# Altium PCB Power Distribution Board.PcbDoc
Units mil, origin at the board's own origin, x right, y up, seen from the top; angles counter-clockwise.
Board outline 7167.22 x 4375.38 mil, 4 copper layers (Top Layer, Int1 (GND), Int2 (PWR), Bottom Layer), stack 53.912 mil thick; 83 components, 24 nets, 172 pads, 187 vias.
Unrouted connection lines stored in the file: 11.
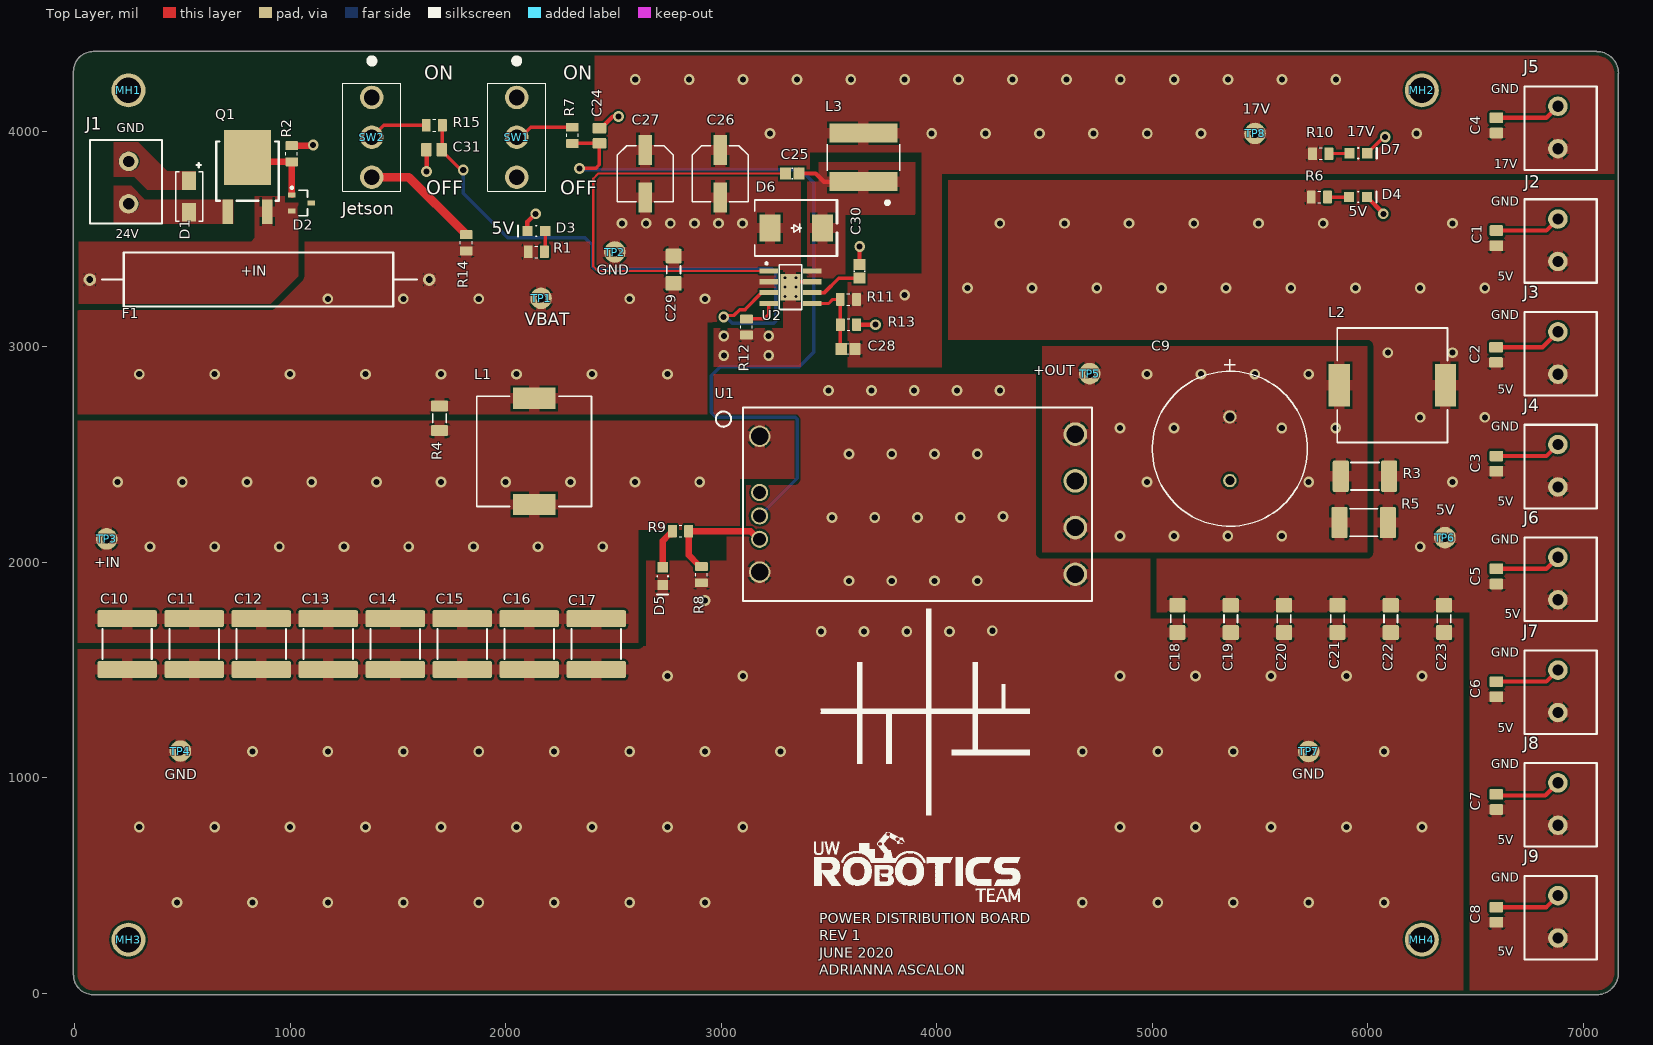
[diagram p0: Top Layer view]
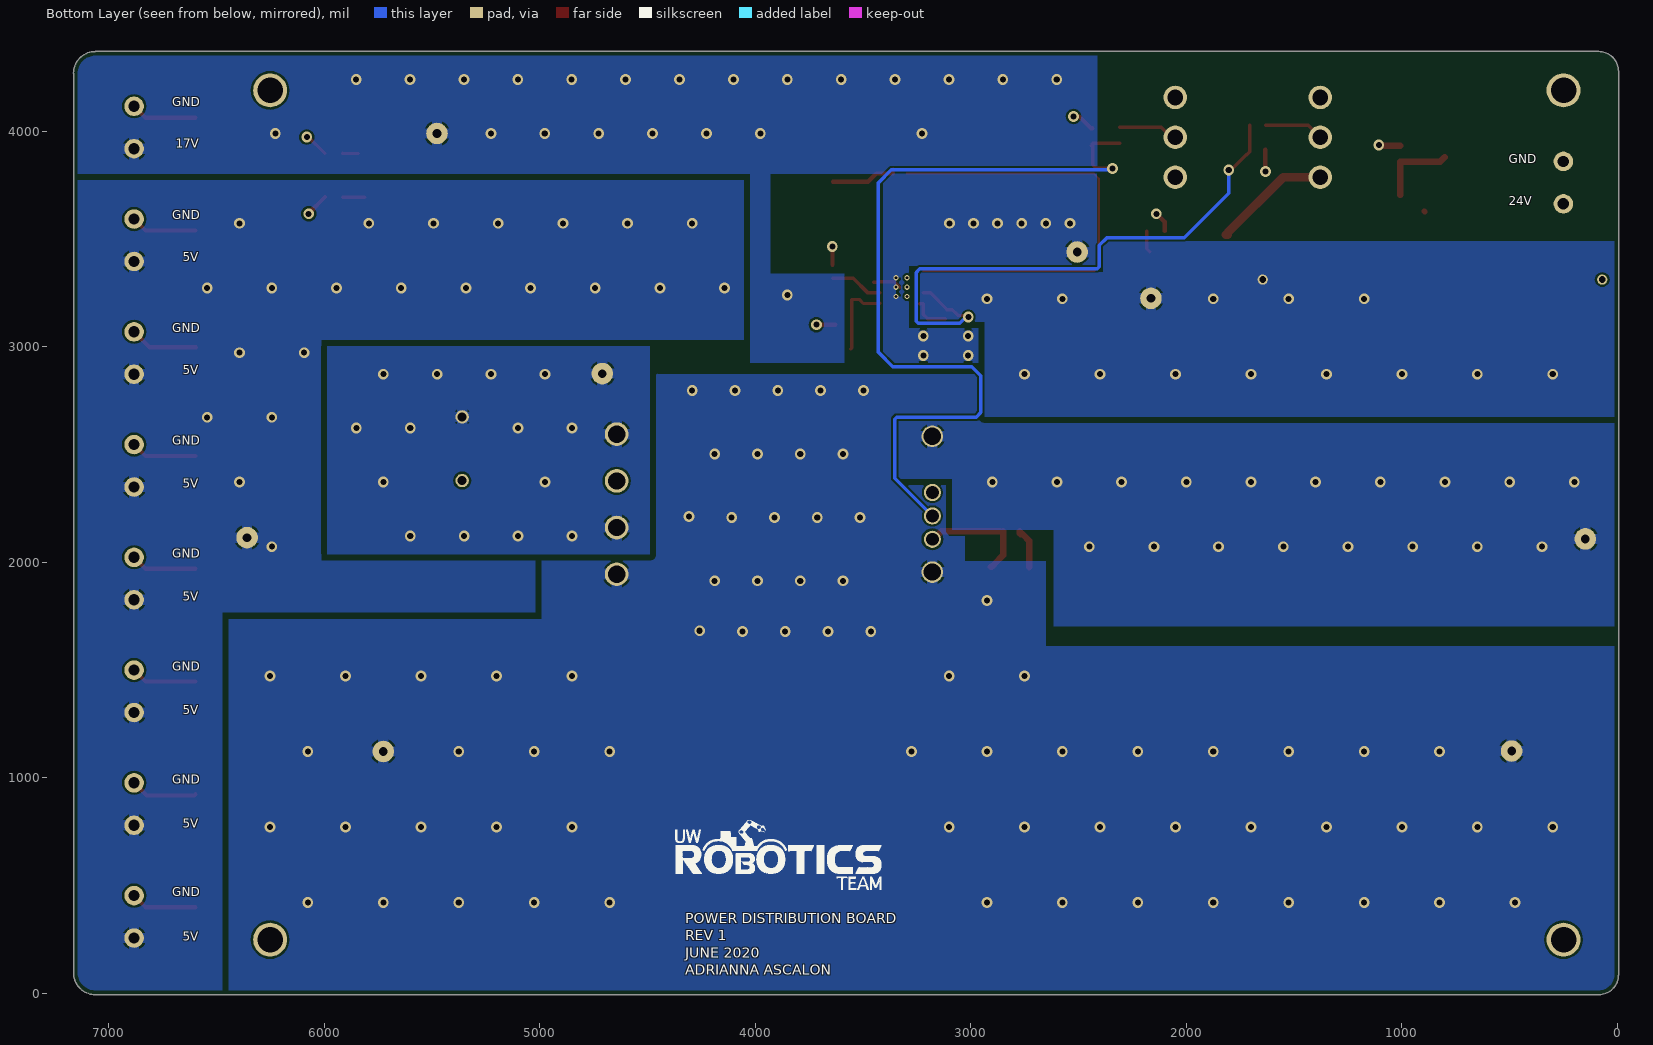
[diagram p1: Bottom Layer view, seen from below]
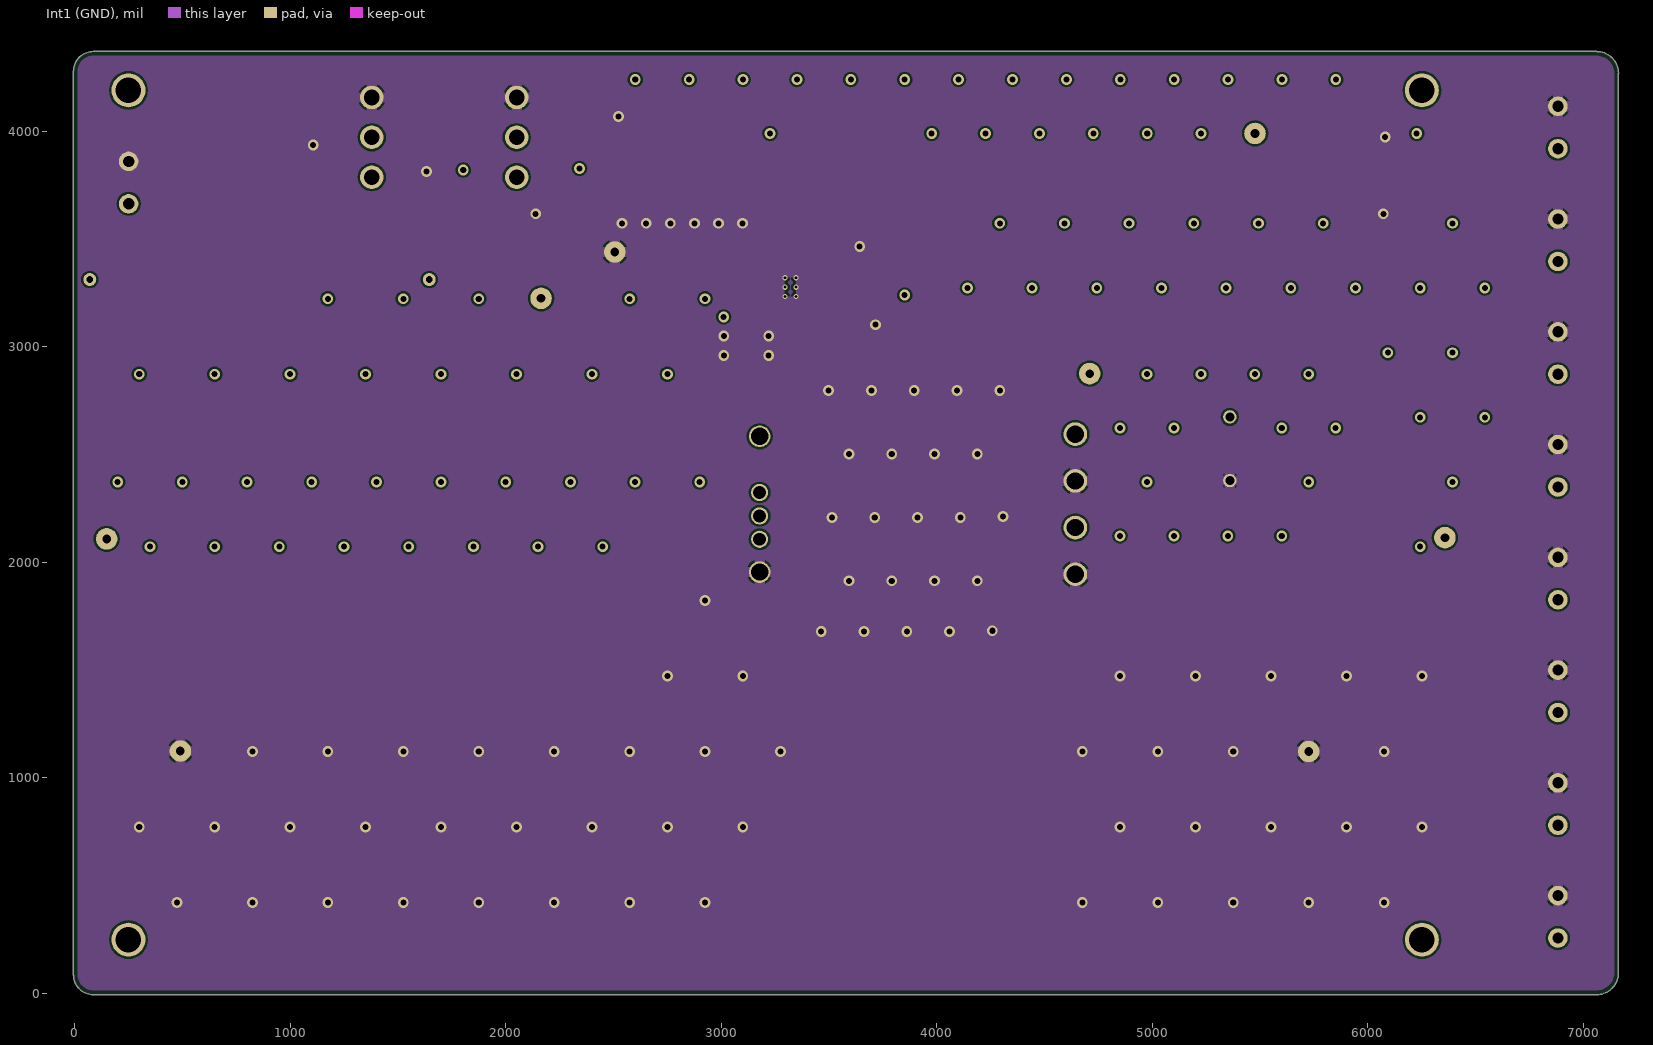
[diagram p2: Int1 (GND)]
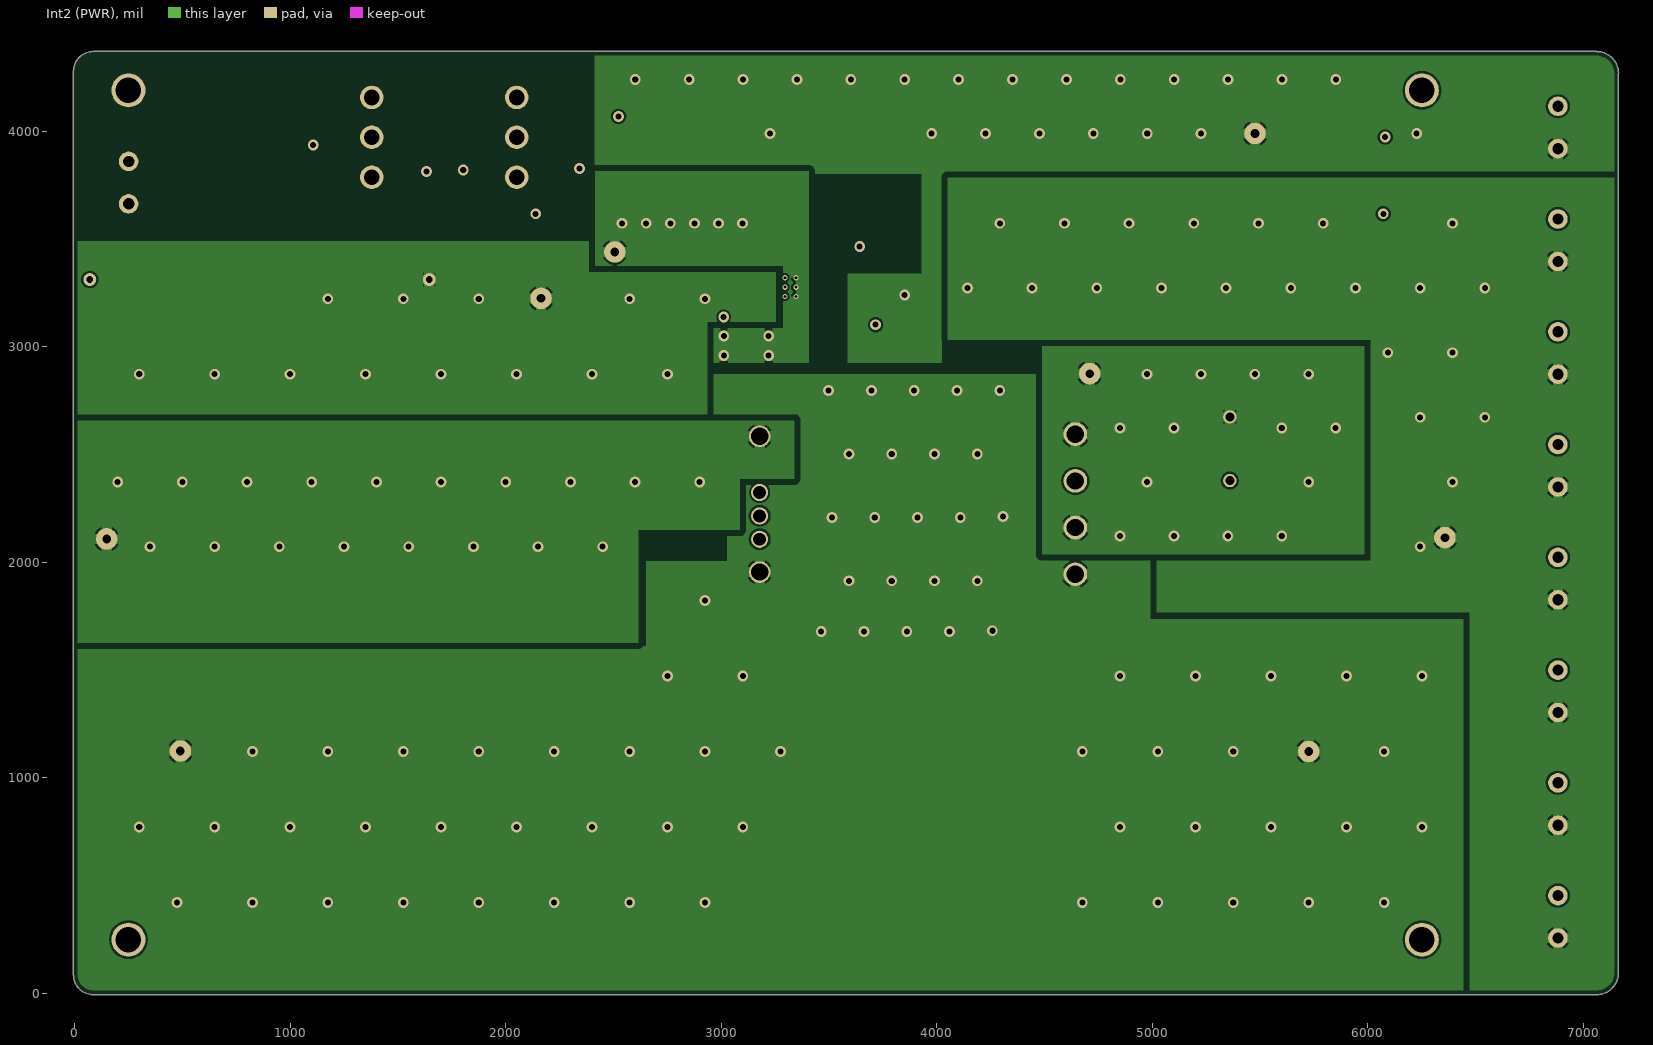
[diagram p3: Int2 (PWR)]
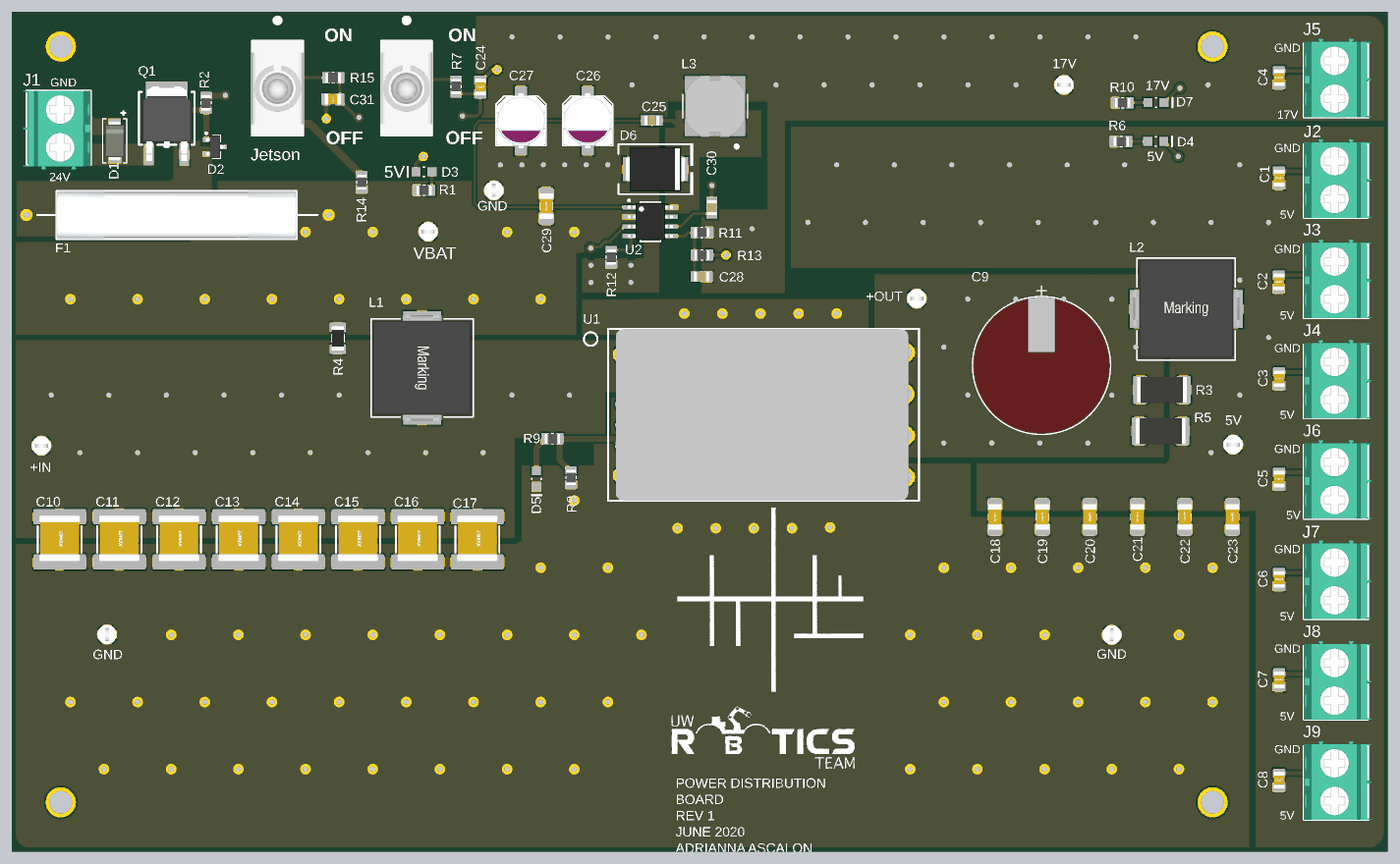
[diagram p4: 3D render of the assembled board from above, using the file's embedded part models]

## Layer stack, top to bottom
Top Solder: solder mask 1, SM-001, Dk 4
Top Layer: signal copper 1.378
Dielectric 1: prepreg 5.1, PP-017, Dk 4.3
Dielectric 2: prepreg 5.1, PP-017, Dk 4.3
Int1 (GND): signal copper 1.378
Dielectric 3: core 28, Core-039, Dk 4.8
Int2 (PWR): signal copper 1.378
Dielectric 4: prepreg 5.1, PP-017, Dk 4.3
Dielectric 5: prepreg 5.1, PP-017, Dk 4.3
Bottom Layer: signal copper 1.378
Bottom Solder: solder mask 1, SM-001, Dk 4

## Board outline
-4.83,84.82 cw(c0,86.16) -5.01,86.16 -5.01,4279 cw(c86.16,4279) 86.16,4370.18 7061,4370.18 cw(c7061,4365.16) 7062.29,4370.01 cw(c7061,4268.81) 7162.21,4269.01 cw(c7157.19,4269) 7162.21,4269 cw(c7157.19,4269) 7162.02,4267.63 7162.02,96 cw(c7060.81,96) 7060.81,-5.21 cw(c7060.81,-0.19) 7059.43,-5.01 86.33,-5.02 cw(c86.33,86.16)

## Design rules (kind name [scope] priority, off if disabled: settings)
BoardOutlineClearance [All] p1: gap=20 ignorepadtopadclearanceinfootprint=FALSE
Clearance "Clearance Polygons" [InPolygon] p1: gap=10 ignorepadtopadclearanceinfootprint=FALSE except(0: Arc-Hole Track-Hole SMDPad-Hole THPad-Hole Via-Hole Fill-Hole Poly-Hole Region-Hole Text-Hole; 30: Poly-Poly)
Clearance [All] p2: gap=5 ignorepadtopadclearanceinfootprint=FALSE except(0: Arc-Hole Track-Hole SMDPad-Hole THPad-Hole Via-Hole Fill-Hole Poly-Hole Region-Hole Text-Hole)
ComponentClearance "HM-TRP & UFL" [InComponent('X1') vs InComponent('U1')] p1: gap=0 collisioncheckmode=3 verticalgap=0 showdistances=FALSE
ComponentClearance [All] p2: gap=1 collisioncheckmode=3 verticalgap=1 showdistances=FALSE
DiffPairsRouting [All] p1: maxlimit=393.7 minlimit=5 mostfreqgap=8 toplayer_minwidth=5 toplayer_maxwidth=15 toplayer_prefwidth=8 midlayer1_minwidth=5 midlayer1_maxwidth=15 midlayer1_prefwidth=8 midlayer2_minwidth=5 midlayer2_maxwidth=15 midlayer2_prefwidth=8 bottomlayer_minwidth=5 bottomlayer_maxwidth=15 bottomlayer_prefwidth=8 maxuncoupledlength=500
Height [All] p1: minheight=0 maxheight=2000 prefheight=500
HoleSize [All] p1: absolutevalues=TRUE maxlimit=265 minlimit=10 maxpercent=80.000 minpercent=20.000
HoleToHoleClearance [All] p1: gap=10 allowstackedmicrovias=FALSE
MinimumAnnularRing [All] p1: minimumring=4
MinimumSolderMaskSliver [All] p1: minsoldermaskwidth=0
PlaneClearance [All] p1: clearance=10
PlaneConnect [All] p1: planeconnectstyle=Relief reliefexpansion=4 reliefentries=4 reliefconductorwidth=6 reliefairgap=6
PolygonConnect "Special Input Connector" [InComponent('J1')] p1: connectstyle=Direct reliefconductorwidth=10 reliefentries=4 polygonreliefangle="90 Angle" airgapwidth=10
PolygonConnect "Special TVS Connect" [InComponent('D1')  or InComponent('Q1') vs InNet('VBAT')  or       InNet('GND')] p2: connectstyle=Direct reliefconductorwidth=10 reliefentries=4 polygonreliefangle="90 Angle" airgapwidth=10
PolygonConnect "Thicc Polygon Connect" [InNetClass('Power')] p3: connectstyle=Relief reliefconductorwidth=50 reliefentries=4 polygonreliefangle="90 Angle" airgapwidth=10
PolygonConnect [All] p4: connectstyle=Relief reliefconductorwidth=10 reliefentries=4 polygonreliefangle="90 Angle" airgapwidth=6
PolygonConnect "Via connect style" [isVia] p5: connectstyle=Direct reliefconductorwidth=10 reliefentries=4 polygonreliefangle="90 Angle" airgapwidth=10
RoutingCorners [All] p1: cornerstyle=45-Degree minsetback=49.21 maxsetback=49.21
RoutingVias [All] p1: holewidth=12 width=22 viastyle="Through Hole" minholewidth=10 minwidth=18 maxholewidth=100 maxwidth=114
SilkToSilkClearance [All] p1: silktosilkclearance=0
SilkToSolderMaskClearance [IsPad] p1: minsilkscreentomaskgap=5 clearancetoexposedcopper=TRUE
SolderMaskExpansion [All] p1: expansion=2.5
Width GND [InNet('GND')] p1: maxlimit=100 minlimit=10 preferedwidth=20
Width Power [InNetClass('Power')] p2: maxlimit=60 minlimit=20 preferedwidth=30
Width 3V3 [InNetClass('3V3')] p3: maxlimit=30 minlimit=10 preferedwidth=20
Width [All] p4: maxlimit=400 minlimit=6 preferedwidth=16
19 further rules are at their usual default settings.

## Classes and differential pairs
net class Power: 5V 17V +IN +OUT GND NetD2_2 SW VBAT VBAT_FUSED
component class "SH3 - 17V BUCK CONVERTER": C25 C26 C27 C28 C29 C30 C31 D6 D7 L3 R10 R11 R12 R13 R14 R15 SW2 TP8 U2
component class "SH2 - 5V VICOR DCDC": C9 C10 C11 C12 C13 C14 C15 C16 C17 C18 C19 C20 C21 C22 C23 C24 D2 D3 D4 D5 F1 L1 L2 Q1 R1 R2 R3 R4 R5 R6 R7 R8 R9 SW1 TP1 TP2 TP3 TP4 TP5 TP6 TP7 U1
component class "SH1 - CONNECTORS": C1 C2 C3 C4 C5 C6 C7 C8 D1 J1 J2 J3 J4 J5 J6 J7 J8 J9 MH1 MH2 MH3 MH4

## Components (designator, comment, footprint, x,y, rotation, side; value= is the part's Value field where it differs from the comment)
C1 "0.1μF" CAPC2012X140N 6596,3504.29 r270 top locked value=0.1µF
C2 "0.1μF" CAPC2012X140N 6594,2963 r270 top locked value=0.1µF
C3 "0.1μF" CAPC2012X140N 6596,2458.13 r270 top locked value=0.1µF
C4 "0.1μF" CAPC2012X140N 6596,4027.37 r270 top locked value=0.1µF
C5 "0.1μF" CAPC2012X140N 6596,1935.04 r270 top locked value=0.1µF
C6 "0.1μF" CAPC2012X140N 6596,1411.96 r270 top locked value=0.1µF
C7 "0.1μF" CAPC2012X140N 6596,888.88 r270 top locked value=0.1µF
C8 "0.1μF" CAPC2012X140N 6596,365.8 r270 top locked value=0.1µF
C9 "URS1A103MHD1TN" CAP_UBY_18X25_NC 5359,2675 r270 top locked
C10 "4.7μF" CAPC5750X7R2A 244,1621 r90 top locked value=4.7µF
C11 "4.7μF" CAPC5750X7R2A 554.86,1621 r90 top locked value=4.7µF
C12 "4.7μF" CAPC5750X7R2A 865.71,1621 r90 top locked value=4.7µF
C13 "4.7μF" CAPC5750X7R2A 1176.57,1621 r90 top locked value=4.7µF
C14 "4.7μF" CAPC5750X7R2A 1487.43,1621 r90 top locked value=4.7µF
C15 "4.7μF" CAPC5750X7R2A 1798.28,1621 r90 top locked value=4.7µF
C16 "4.7μF" CAPC5750X7R2A 2109.14,1621 r90 top locked value=4.7µF
C17 "4.7μF" CAPC5750X7R2A 2420,1621 r90 top locked value=4.7µF
C18 "10uF" CAPC1206(3216) 5116,1738 r90 top locked value=10µF
C19 "10uF" CAPC1206(3216) 5363.4,1738 r90 top locked value=10µF
C20 "4.7µF" CAPC1206(3216) 5610.8,1738 r90 top locked
C21 "4.7µF" CAPC1206(3216) 5858.2,1738 r90 top locked
C22 "4.7µF" CAPC1206(3216) 6105.6,1738 r90 top locked
C23 "4.7µF" CAPC1206(3216) 6353,1738 r90 top locked
C24 "0.1μF" CAPC2012X140N 2435,3978.96 r270 top value=0.1µF
C25 "GRM21BR71H224MA01L" "CAP 0805_2012" 3329,3804 r180 top
C26 "47μF" 25SVPF47M 2995,3803.24 r270 top
C27 "47μF" 25SVPF47M 2647.35,3803.23 r270 top
C28 "470pF" "CAP 0805_2012" 3588,2990 r0 top
C29 "GRM31CR71H475KA12L" CAPC1206(3216) 2779,3358 r90 top value=4.7µF
C30 "8200pF" "CAP 0805_2012" 3641,3350 r270 top locked
C31 "0.1μF" CAPC2012X140N 1667.43,3915 r0 top value=0.1µF
D1 "SMAJ22A-E3/61" DO-214AC_UNI 531,3698 r270 top locked
D2 "DIO_ZENER_27V" SOT23-3 1053,3667 r0 top
D3 "LG R971-KN-1" LED_0805_LINE 2142,3537 r180 top locked
D4 "LG R971-KN-1" LED_0805_LINE 5954,3695 r0 top locked
D5 "LS R976-NR-1" LED_0805_LINE 2728.26,1936.4 r270 top
D6 "B540C-13-F" "DO214AB SMC" 3347.95,3551 r0 top locked
D7 "LG R971-KN-1" LED_0805_LINE 5955.66,3898 r0 top locked
F1 "0324015.HXP" FUSE 858,3312 r0 top
J1 "1935161" 1935161 251,3762 r270 top locked
J2 "1935161" 1935161 6881,3494.49 r90 top locked
J3 "1935161" 1935161 6881,2971.41 r90 top locked
J4 "1935161" 1935161 6881,2448.33 r90 top locked
J5 "1935161" 1935161 6881,4017.57 r90 top locked
J6 "1935161" 1935161 6881,1925.25 r90 top locked
J7 "1935161" 1935161 6881,1402.16 r90 top locked
J8 "1935161" 1935161 6881,879.08 r90 top locked
J9 "1935161" 1935161 6881,356 r90 top locked
L1 "744309033" "WE-HCM 1390" 2132,2515.06 r270 top locked
L2 "744309033" "WE-HCM 1390" 6113,2822 r0 top locked
L3 "SRN8040-2R2Y" IND_BOURNS_SRN80 3659,3879 r90 top
MH1 "MOUNTING_HOLE_6CM" MOUNTING_HOLE 250,4190 r0 top locked
MH2 "MOUNTING_HOLE_6CM" MOUNTING_HOLE 6250,4190 r0 top locked
MH3 "MOUNTING_HOLE_6CM" MOUNTING_HOLE 250,250 r0 top locked
MH4 "MOUNTING_HOLE_6CM" MOUNTING_HOLE 6250,250 r0 top locked
Q1 "FDD6637" D-PAK 802,3753 r0 top locked
R1 "RES_4.7kΩ_0805" RESC2012X60N 2142,3441 r180 top locked value=4.7kO
R2 "1kΩ" RESC2012X60N 1007,3896 r270 top locked value=1kO
R3 "WSL2512R2500FEA" RESC6432X89X76NL25T25 5986,2400 r0 top locked
R4 "RES_1Ω_1206" RESC1206(3216)_N 1693,2669 r270 top locked
R5 "WSL2512R2500FEA" RESC6432X89X76NL25T25 5980,2185 r0 top locked
R6 "1kΩ" RESC2012X60N 5774.31,3695 r180 top locked value=1kO
R7 "1kΩ" RESC2012X60N 2309,3980.96 r270 top
R8 "49.9kΩ" RESC2012X60N 2908,1943.09 r270 top
R9 "1kΩ" RESC2012X60N 2811,2145 r0 top value=1kO
R10 "3.3kΩ" RESC2012X60N 5781,3896 r180 top locked
R11 "221kΩ" RESC2012X60N 3589.53,3220 r0 top
R12 "13.7kΩ" RESC2012X60N 3117,3092 r90 top
R13 "10.2kΩ" RESC2012X60N 3590,3103 r180 top
R14 "1kΩ" RESC2012X60N 1817,3483 r270 top value=1kO
R15 "1kΩ" RESC2012X60N 1669,4028 r0 top
SW1 "100SP1T1B4M2QE" 100SP1T1B4M2QE 2051,3971.96 r270 top
SW2 "100SP1T1B4M2QE" 100SP1T1B4M2QE 1379,3971.96 r270 top
TP1 "TESTPOINT_LOOP" TESTPOINT_LOOP 2164,3225 r0 top
TP2 "TESTPOINT_LOOP" TESTPOINT_LOOP 2506,3440 r90 top
TP3 "TESTPOINT_LOOP" TESTPOINT_LOOP 149,2109 r0 top locked
TP4 "TESTPOINT_LOOP" TESTPOINT_LOOP 491,1125 r90 top
TP5 "TESTPOINT_LOOP" TESTPOINT_LOOP 4709,2876 r0 top
TP6 "TESTPOINT_LOOP" TESTPOINT_LOOP 6357,2115 r0 top locked
TP7 "TESTPOINT_LOOP" TESTPOINT_LOOP 5725,1123 r90 top
TP8 "TESTPOINT_LOOP" TESTPOINT_LOOP 5476,3990 r0 top
U1 "DCM3623T50T0680" DCM3623T50T0680 3910.28,2270.04 r0 top locked
U2 "LMR14050SDDAR" 8-PowerSOIC 3321,3277 r0 top locked
